# Altium PCB ZYNQ7010_AD9363.PcbDoc (part 1 of 6) (continued)
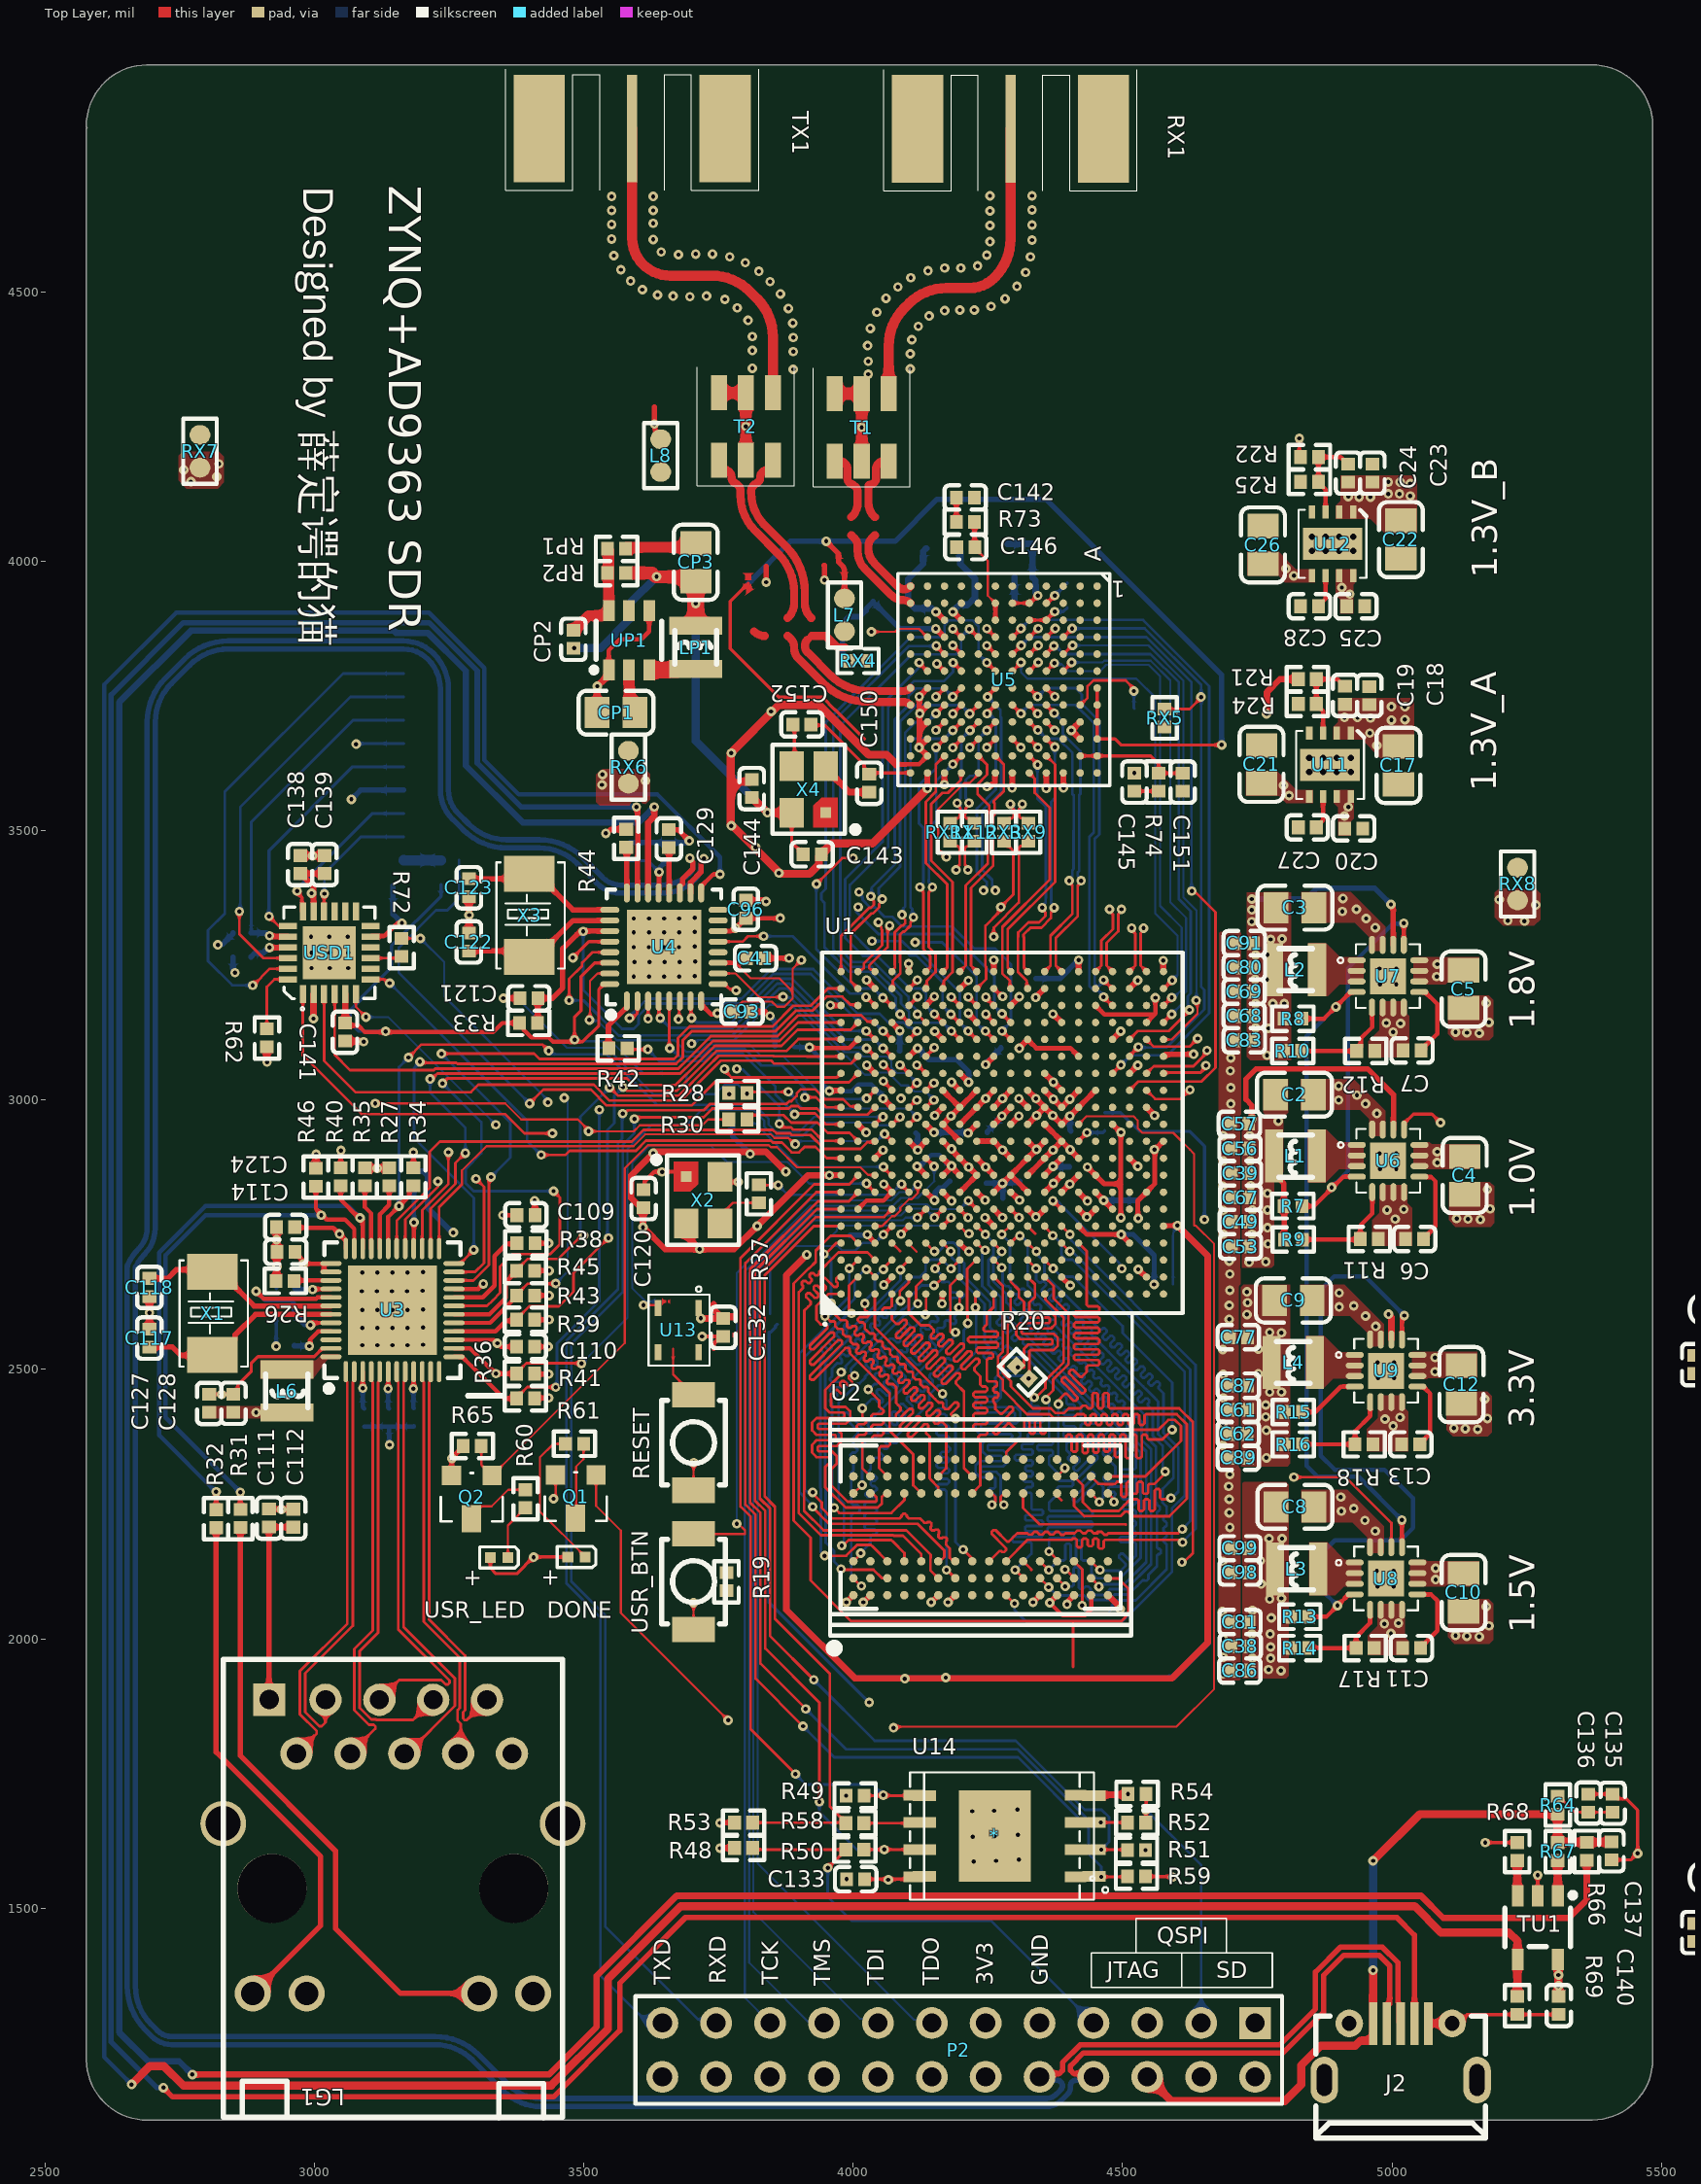
[diagram p0: Top Layer view]
## Footprints (in the part's own frame and the unit in brackets; to place one, negate y for a bottom-side part, rotate by r counter-clockwise, add the part's x,y. Pads: shape width x height; smd on the part's side, far side on the other; paste and mask are expansions set on the pad) (continued)
  silkscreen extent -161,-206 233,188
AP3419 [mm]
  rect 1x0.55 smd: 1(1.268,-0.95) 2(1.268,0) 3(1.268,0.95) 4(-1.532,0.95) 5(-1.532,0) 6(-1.532,-0.95)
  silkscreen extent -1.03,-1.78 1.39,1.55
CLG400-0.8 [mm]
  round 0.35 smd: A1(-7.6,7.6) A2(-6.8,7.6) A3(-6,7.6) A4(-5.2,7.6) A5(-4.4,7.6) A6(-3.6,7.6) A7(-2.8,7.6) A8(-2,7.6) A9(-1.2,7.6) A10(-0.4,7.6) A11(0.4,7.6) A12(1.2,7.6) A13(2,7.6) A14(2.8,7.6) A15(3.6,7.6) A16(4.4,7.6) A17(5.2,7.6) A18(6,7.6) A19(6.8,7.6) A20(7.6,7.6) B1(-7.6,6.8) B2(-6.8,6.8) B3(-6,6.8) B4(-5.2,6.8) B5(-4.4,6.8) B6(-3.6,6.8) B7(-2.8,6.8) B8(-2,6.8) B9(-1.2,6.8) B10(-0.4,6.8) B11(0.4,6.8) B12(1.2,6.8) B13(2,6.8) B14(2.8,6.8) B15(3.6,6.8) B16(4.4,6.8) B17(5.2,6.8) B18(6,6.8) B19(6.8,6.8) B20(7.6,6.8) C1(-7.6,6) C2(-6.8,6) C3(-6,6) C4(-5.2,6) C5(-4.4,6) C6(-3.6,6) C7(-2.8,6) C8(-2,6) C9(-1.2,6) C10(-0.4,6) C11(0.4,6) C12(1.2,6) C13(2,6) C14(2.8,6) C15(3.6,6) C16(4.4,6) C17(5.2,6) C18(6,6) C19(6.8,6) C20(7.6,6) D1(-7.6,5.2) D2(-6.8,5.2) D3(-6,5.2) D4(-5.2,5.2) D5(-4.4,5.2) D6(-3.6,5.2) D7(-2.8,5.2) D8(-2,5.2) D9(-1.2,5.2) D10(-0.4,5.2) D11(0.4,5.2) D12(1.2,5.2) D13(2,5.2) D14(2.8,5.2) D15(3.6,5.2) D16(4.4,5.2) D17(5.2,5.2) D18(6,5.2) D19(6.8,5.2) D20(7.6,5.2) E1(-7.6,4.4) E2(-6.8,4.4) E3(-6,4.4) E4(-5.2,4.4) E5(-4.4,4.4) E6(-3.6,4.4) E7(-2.8,4.4) E8(-2,4.4) E9(-1.2,4.4) E10(-0.4,4.4) E11(0.4,4.4) E12(1.2,4.4) E13(2,4.4) E14(2.8,4.4) E15(3.6,4.4) E16(4.4,4.4) E17(5.2,4.4) E18(6,4.4) E19(6.8,4.4) E20(7.6,4.4) F1(-7.6,3.6) F2(-6.8,3.6) F3(-6,3.6) F4(-5.2,3.6) F5(-4.4,3.6) F6(-3.6,3.6) F7(-2.8,3.6) F8(-2,3.6) F9(-1.2,3.6) F10(-0.4,3.6) F11(0.4,3.6) F12(1.2,3.6) F13(2,3.6) F14(2.8,3.6) F15(3.6,3.6) F16(4.4,3.6) F17(5.2,3.6) F18(6,3.6) F19(6.8,3.6) F20(7.6,3.6) G1(-7.6,2.8) G2(-6.8,2.8) G3(-6,2.8) G4(-5.2,2.8) G5(-4.4,2.8) G6(-3.6,2.8) G7(-2.8,2.8) G8(-2,2.8) G9(-1.2,2.8) G10(-0.4,2.8) G11(0.4,2.8) G12(1.2,2.8) G13(2,2.8) G14(2.8,2.8) G15(3.6,2.8) G16(4.4,2.8) G17(5.2,2.8) G18(6,2.8) G19(6.8,2.8) G20(7.6,2.8) H1(-7.6,2) H2(-6.8,2) H3(-6,2) H4(-5.2,2) H5(-4.4,2) H6(-3.6,2) H7(-2.8,2) H8(-2,2) H9(-1.2,2) H10(-0.4,2) H11(0.4,2) H12(1.2,2) H13(2,2) H14(2.8,2) H15(3.6,2) H16(4.4,2) H17(5.2,2) H18(6,2) H19(6.8,2) H20(7.6,2) J1(-7.6,1.2) J2(-6.8,1.2) J3(-6,1.2) J4(-5.2,1.2) J5(-4.4,1.2) J6(-3.6,1.2) J7(-2.8,1.2) J8(-2,1.2) J9(-1.2,1.2) J10(-0.4,1.2) J11(0.4,1.2) J12(1.2,1.2) J13(2,1.2) J14(2.8,1.2) J15(3.6,1.2) J16(4.4,1.2) J17(5.2,1.2) J18(6,1.2) J19(6.8,1.2) J20(7.6,1.2) K1(-7.6,0.4) K2(-6.8,0.4) K3(-6,0.4) K4(-5.2,0.4) K5(-4.4,0.4) K6(-3.6,0.4) K7(-2.8,0.4) K8(-2,0.4) K9(-1.2,0.4) K10(-0.4,0.4) K11(0.4,0.4) K12(1.2,0.4) K13(2,0.4) K14(2.8,0.4) K15(3.6,0.4) K16(4.4,0.4) K17(5.2,0.4) K18(6,0.4) K19(6.8,0.4) K20(7.6,0.4) L1(-7.6,-0.4) L2(-6.8,-0.4) L3(-6,-0.4) L4(-5.2,-0.4) L5(-4.4,-0.4) L6(-3.6,-0.4) L7(-2.8,-0.4) L8(-2,-0.4) L9(-1.2,-0.4) L10(-0.4,-0.4) L11(0.4,-0.4) L12(1.2,-0.4) L13(2,-0.4) L14(2.8,-0.4) L15(3.6,-0.4) L16(4.4,-0.4) L17(5.2,-0.4) L18(6,-0.4) L19(6.8,-0.4) L20(7.6,-0.4) M1(-7.6,-1.2) M2(-6.8,-1.2) M3(-6,-1.2) M4(-5.2,-1.2) M5(-4.4,-1.2) M6(-3.6,-1.2) M7(-2.8,-1.2) M8(-2,-1.2) M9(-1.2,-1.2) M10(-0.4,-1.2) M11(0.4,-1.2) M12(1.2,-1.2) M13(2,-1.2) M14(2.8,-1.2) M15(3.6,-1.2) M16(4.4,-1.2) M17(5.2,-1.2) M18(6,-1.2) M19(6.8,-1.2) M20(7.6,-1.2) N1(-7.6,-2) N2(-6.8,-2) N3(-6,-2) N4(-5.2,-2) N5(-4.4,-2) N6(-3.6,-2) N7(-2.8,-2) N8(-2,-2) N9(-1.2,-2) N10(-0.4,-2) N11(0.4,-2) N12(1.2,-2) N13(2,-2) N14(2.8,-2) N15(3.6,-2) N16(4.4,-2) N17(5.2,-2) N18(6,-2) N19(6.8,-2) N20(7.6,-2) P1(-7.6,-2.8) P2(-6.8,-2.8) P3(-6,-2.8) P4(-5.2,-2.8) P5(-4.4,-2.8) P6(-3.6,-2.8) P7(-2.8,-2.8) P8(-2,-2.8) P9(-1.2,-2.8) P10(-0.4,-2.8) P11(0.4,-2.8) P12(1.2,-2.8) P13(2,-2.8) P14(2.8,-2.8) P15(3.6,-2.8) P16(4.4,-2.8) P17(5.2,-2.8) P18(6,-2.8) P19(6.8,-2.8) P20(7.6,-2.8) R1(-7.6,-3.6) R2(-6.8,-3.6) R3(-6,-3.6) R4(-5.2,-3.6) R5(-4.4,-3.6) R6(-3.6,-3.6) R7(-2.8,-3.6) R8(-2,-3.6) R9(-1.2,-3.6) R10(-0.4,-3.6) R11(0.4,-3.6) R12(1.2,-3.6) R13(2,-3.6) R14(2.8,-3.6) R15(3.6,-3.6) R16(4.4,-3.6) R17(5.2,-3.6) R18(6,-3.6) R19(6.8,-3.6) R20(7.6,-3.6) T1(-7.6,-4.4) T2(-6.8,-4.4) T3(-6,-4.4) T4(-5.2,-4.4) T5(-4.4,-4.4) T6(-3.6,-4.4) T7(-2.8,-4.4) T8(-2,-4.4) T9(-1.2,-4.4) T10(-0.4,-4.4) T11(0.4,-4.4) T12(1.2,-4.4) T13(2,-4.4) T14(2.8,-4.4) T15(3.6,-4.4) T16(4.4,-4.4) T17(5.2,-4.4) T18(6,-4.4) T19(6.8,-4.4) T20(7.6,-4.4) U1(-7.6,-5.2) U2(-6.8,-5.2) U3(-6,-5.2) U4(-5.2,-5.2) U5(-4.4,-5.2) U6(-3.6,-5.2) U7(-2.8,-5.2) U8(-2,-5.2) U9(-1.2,-5.2) U10(-0.4,-5.2) U11(0.4,-5.2) U12(1.2,-5.2) U13(2,-5.2) U14(2.8,-5.2) U15(3.6,-5.2) U16(4.4,-5.2) U17(5.2,-5.2) U18(6,-5.2) U19(6.8,-5.2) U20(7.6,-5.2) V1(-7.6,-6) V2(-6.8,-6) V3(-6,-6) V4(-5.2,-6) V5(-4.4,-6) V6(-3.6,-6) V7(-2.8,-6) V8(-2,-6) V9(-1.2,-6) V10(-0.4,-6) V11(0.4,-6) V12(1.2,-6) V13(2,-6) V14(2.8,-6) V15(3.6,-6) V16(4.4,-6) V17(5.2,-6) V18(6,-6) V19(6.8,-6) V20(7.6,-6) W1(-7.6,-6.8) W2(-6.8,-6.8) W3(-6,-6.8) W4(-5.2,-6.8) W5(-4.4,-6.8) W6(-3.6,-6.8) W7(-2.8,-6.8) W8(-2,-6.8) W9(-1.2,-6.8) W10(-0.4,-6.8) W11(0.4,-6.8) W12(1.2,-6.8) W13(2,-6.8) W14(2.8,-6.8) W15(3.6,-6.8) W16(4.4,-6.8) W17(5.2,-6.8) W18(6,-6.8) W19(6.8,-6.8) W20(7.6,-6.8) Y1(-7.6,-7.6) Y2(-6.8,-7.6) Y3(-6,-7.6) Y4(-5.2,-7.6) Y5(-4.4,-7.6) Y6(-3.6,-7.6) Y7(-2.8,-7.6) Y8(-2,-7.6) Y9(-1.2,-7.6) Y10(-0.4,-7.6) Y11(0.4,-7.6) Y12(1.2,-7.6) Y13(2,-7.6) Y14(2.8,-7.6) Y15(3.6,-7.6) Y16(4.4,-7.6) Y17(5.2,-7.6) Y18(6,-7.6) Y19(6.8,-7.6) Y20(7.6,-7.6)
  silkscreen extent -9.02,-8.5 8.5,8.5
CNSMARAL687W375H171 [mil]
  rect 200x19 smd: 1(2.5,0)
  rect 200x95 smd: 2(2.5,172.5) 4(2.5,-172.5)
  rect 200x95 smd far side: 3(2.5,172.5) 5(2.5,-172.5)
  silkscreen extent -113,-235 113,235
D0402 [mm]
  rect 0.51x0.51 smd: 1(-0.41,0) 2(0.41,0)
  silkscreen extent -0.91,-0.5 0.91,0.5
FBGA96 [mm]
  round 0.4 smd: A1(2.504,-0.906) A2(3.304,-0.906) A3(4.104,-0.906) A7(7.304,-0.906) A8(8.104,-0.906) A9(8.904,-0.906) B1(2.504,-1.706) B2(3.304,-1.706) B3(4.104,-1.706) B7(7.304,-1.706) B8(8.104,-1.706) B9(8.904,-1.706) C1(2.504,-2.506) C2(3.304,-2.506) C3(4.104,-2.506) C7(7.304,-2.506) C8(8.104,-2.506) C9(8.904,-2.506) D1(2.504,-3.306) D2(3.304,-3.306) D3(4.104,-3.306) D7(7.304,-3.306) D8(8.104,-3.306) D9(8.904,-3.306) E1(2.504,-4.106) E2(3.304,-4.106) E3(4.104,-4.106) E7(7.304,-4.106) E8(8.104,-4.106) E9(8.904,-4.106) F1(2.504,-4.906) F2(3.304,-4.906) F3(4.104,-4.906) F7(7.304,-4.906) F8(8.104,-4.906) F9(8.904,-4.906) G1(2.504,-5.706) G2(3.304,-5.706) G3(4.104,-5.706) G7(7.304,-5.706) G8(8.104,-5.706) G9(8.904,-5.706) H1(2.504,-6.506) H2(3.304,-6.506) H3(4.104,-6.506) H7(7.304,-6.506) H8(8.104,-6.506) H9(8.904,-6.506) J1(2.504,-7.306) J2(3.304,-7.306) J3(4.104,-7.306) J7(7.304,-7.306) J8(8.104,-7.306) J9(8.904,-7.306) K1(2.504,-8.106) K2(3.304,-8.106) K3(4.104,-8.106) K7(7.304,-8.106) K8(8.104,-8.106) K9(8.904,-8.106) L1(2.504,-8.906) L2(3.304,-8.906) L3(4.104,-8.906) L7(7.304,-8.906) L8(8.104,-8.906) L9(8.904,-8.906) M1(2.504,-9.706) M2(3.304,-9.706) M3(4.104,-9.706) M7(7.304,-9.706) M8(8.104,-9.706) M9(8.904,-9.706) N1(2.504,-10.506) N2(3.304,-10.506) N3(4.104,-10.506) N7(7.304,-10.506) N8(8.104,-10.506) N9(8.904,-10.506) P1(2.504,-11.306) P2(3.304,-11.306) P3(4.104,-11.306) P7(7.304,-11.306) P8(8.104,-11.306) P9(8.904,-11.306) R1(2.504,-12.106) R2(3.304,-12.106) R3(4.104,-12.106) R7(7.304,-12.106) R8(8.104,-12.106) R9(8.904,-12.106) T1(2.504,-12.906) T2(3.304,-12.906) T3(4.104,-12.906) T7(7.304,-12.906) T8(8.104,-12.906) T9(8.904,-12.906)
  silkscreen extent -0.2,-14.01 10.8,0.2
HDR2X12_CEN [mm] "Connector; Header; 12x2 Position"
  rect 1.5x1.5 hole 0.9: 1(0,0)
  round 1.5 hole 0.9: 2(2.54,0) 3(5.08,0) 4(7.62,0) 5(10.16,0) 6(12.7,0) 7(15.24,0) 8(17.78,0) 9(20.32,0) 10(22.86,0) 11(25.4,0) 12(27.94,0) 13(0,2.54) 14(2.54,2.54) 15(5.08,2.54) 16(7.62,2.54) 17(10.16,2.54) 18(12.7,2.54) 19(15.24,2.54) 20(17.78,2.54) 21(20.32,2.54) 22(22.86,2.54) 23(25.4,2.54) 24(27.94,2.54)
  silkscreen extent -1.27,-1.27 29.21,3.81
HR911130C [mil]
  round 66.93 hole 43.31: 11(260,272.62) 12(160,272.62) 13(-160,272.62) 14(-260,272.62)
  rect 60x60 hole 35.83: P1(229.63,-272.62)
  round 60 hole 35.83: P2(179.1,-172.38) P3(125.2,-272.38) P4(79.1,-172.38) P5(25.2,-272.38) P6(-20.9,-172.38) P7(-74.8,-272.38) P8(-120.9,-172.38) P9(-174.8,-272.38) P10(-220.9,-172.38)
  round 85 hole 65: SHIELD0(-315,-42.48) SHIELD1(315,-42.48)
  round 127.95 hole 127.95 unplated: ""(-224.4,77.62) ""(224.4,77.62)
  silkscreen extent -315,-347 315,503
L1008 [mil]
  rect 33.5x98.4 smd: 1(-39.92,0) 2(40.08,0)
  silkscreen extent -31,-39 31,39
LC-0402_C [mm]
  rect 0.6x0.65 smd mask+0.051: 1(-0.425,0) 2(0.425,0)
  silkscreen extent -0.97,-0.58 0.98,0.58, body extent -0.48,-0.3 0.52,0.3, height 0.2
LC-0402_R [mm]
  rect 0.6x0.65 smd mask+0.051: 1(-0.425,0) 2(0.425,0)
  silkscreen extent -0.97,-0.58 0.97,0.58, body extent -0.57,-0.27 0.57,0.28, height 0.41
LC-0603_L [mm]
  oval 0.93x0.98 smd: 1(-0.77,0) 2(0.77,0)
  silkscreen extent -1.53,-0.79 1.54,0.79, body extent -0.8,-0.41 0.8,0.41, height 0.46
LC-0805_C [mm]
  rect 1.16x1.47 smd: 1(-0.89,0) 2(0.89,0)
  silkscreen extent -1.77,-1.04 1.77,1.04
LC-QFN-32_5x5x05P [mm]
  rect 3.5x3.5 smd paste-1.75 mask+0.051: 0(0,0)
  oval 0.28x0.9 smd mask+0.051: 1(-1.75,-2.55) 2(-1.25,-2.55) 3(-0.75,-2.55) 4(-0.25,-2.55) 5(0.25,-2.55) 6(0.75,-2.55) 7(1.25,-2.55) 8(1.75,-2.55) 17(1.75,2.55) 18(1.25,2.55) 19(0.75,2.55) 20(0.25,2.55) 21(-0.25,2.55) 22(-0.75,2.55) 23(-1.25,2.55) 24(-1.75,2.55)
  oval 0.9x0.28 smd mask+0.051: 9(2.55,-1.75) 10(2.55,-1.25) 11(2.55,-0.75) 12(2.55,-0.25) 13(2.55,0.25) 14(2.55,0.75) 15(2.55,1.25) 16(2.55,1.75) 25(-2.55,1.75) 26(-2.55,1.25) 27(-2.55,0.75) 28(-2.55,0.25) 29(-2.55,-0.25) 30(-2.55,-0.75) 31(-2.55,-1.25) 32(-2.55,-1.75)
  silkscreen extent -2.7,-3.35 2.7,2.7
LC-QFN-48_6x6x04P [mm]
  rect 4.2x4.2 smd mask+0.051: 0(0,0)
  oval 0.22x1 smd mask+0.051: 1(-2.2,-2.9) 2(-1.8,-2.9) 3(-1.4,-2.9) 4(-1,-2.9) 5(-0.6,-2.9) 6(-0.2,-2.9) 7(0.2,-2.9) 8(0.6,-2.9) 9(1,-2.9) 10(1.4,-2.9) 11(1.8,-2.9) 12(2.2,-2.9) 25(2.2,2.9) 26(1.8,2.9) 27(1.4,2.9) 28(1,2.9) 29(0.6,2.9) 30(0.2,2.9) 31(-0.2,2.9) 32(-0.6,2.9) 33(-1,2.9) 34(-1.4,2.9) 35(-1.8,2.9) 36(-2.2,2.9)
  oval 1x0.22 smd mask+0.051: 13(2.9,-2.2) 14(2.9,-1.8) 15(2.9,-1.4) 16(2.9,-1) 17(2.9,-0.6) 18(2.9,-0.2) 19(2.9,0.2) 20(2.9,0.6) 21(2.9,1) 22(2.9,1.4) 23(2.9,1.8) 24(2.9,2.2) 37(-2.9,2.2) 38(-2.9,1.8) 39(-2.9,1.4) 40(-2.9,1) 41(-2.9,0.6) 42(-2.9,0.2) 43(-2.9,-0.2) 44(-2.9,-0.6) 45(-2.9,-1) 46(-2.9,-1.4) 47(-2.9,-1.8) 48(-2.9,-2.2)
  silkscreen extent -3.2,-3.85 3.2,3.2
LC-SMD-5032_2P [mil]
  rect 66.92x94.48 smd: 1(-77.18,0.02) 2(77.18,-0.02)
  silkscreen extent -99,-66 98,61
"micro usb" [mm]
  rect 0.4x2 smd: 1(1.145,0.066) 2(1.795,0.066) 3(2.445,0.066) 4(3.095,0.066) 5(3.745,0.066)
  round 1.3 hole 0.7: 6(4.87,0.074) 9(0.02,0.074)
  oval 1.3x2.199 hole 0.7 slot 1.5 at 90 deg: 7(6.045,-2.597) 8(-1.155,-2.597)
  silkscreen extent -1.55,-5.33 6.45,0.42
MLP8 [mil]
  rect 43.3x19.7 smd: 1(-138.85,75) 2(-138.85,25) 3(-138.85,-25) 4(-138.85,-75) 5(176.15,-75) 6(176.15,-25) 7(176.15,25) 8(176.15,75)
  silkscreen extent -165,-118 176,118
NMOS [mil]
  rect 36x36 smd: 1(80,-39) 2(80,36)
  rect 50x36 smd: 3(0,-1)
  silkscreen extent -5,-59 85,56
OSC-SMD_4P-L3.2-W2.5-BL [mm]
  rect 0.5x0.5 smd: 1(-2.454,-1.371)
  rect 1.4x1.15 smd: 2(-0.254,-1.371) 3(-0.254,0.229) 4(-2.454,0.229)
  Top Layer region: -3.154,-0.796 -2.116,-0.796 -1.754,-1.175 -1.754,-1.946 -3.154,-1.946
  silkscreen extent -3.45,-2.92 0.75,1.13
TCM811TERCTR [mil]
  rect 12x30 smd: 1(-36,-41.3) 2(39,-41.3) 3(39,41.3) 4(-36,41.3)
  silkscreen extent -57,-81 57,66
TF [mm]
  rect 1.4x1.6 smd: 0(-4.55,6.85)
  rect 1.6x0.7 smd: 1(-5.05,2.25) 2(-5.05,1.15) 3(-5.05,0.05) 4(-5.05,-1.05) 5(-5.05,-2.15) 6(-5.05,-3.25) 7(-5.05,-4.35) 8(-5.05,-5.45) 9(-5.05,-6.55)
  rect 1.4x1.2 smd: 10(-4.55,-7.75)
  rect 2.2x1.2 smd: 11(5.05,-7.75) 12(5.05,7.75)
  silkscreen extent -4.06,-7.29 9.47,7.15
TLV62130RGT [mil]
  oval 11x33.5 smd: 1(-29.5,-58.6) 2(-9.8,-58.6) 3(9.8,-58.6) 4(29.5,-58.6) 9(29.5,57.6) 10(9.8,57.6) 11(-9.8,57.6) 12(-29.5,57.6)
  oval 33.5x11 smd: 5(58.1,-30) 6(58.1,-10.3) 7(58.1,9.3) 8(58.1,29) 13(-58.1,29) 14(-58.1,9.3) 15(-58.1,-10.3) 16(-58.1,-30)
  rect 66.9x66.9 smd: 20(0,-0.5)
  silkscreen extent -59,-93 59,59
TPS7A8101 [mm]
  rect 1.5x2.8 smd: 0(0,0)
  rect 0.6x0.3 smd: 1(-1.5,0.975) 2(-1.5,0.325) 3(-1.5,-0.325) 4(-1.5,-0.975) 5(1.5,-0.975) 6(1.5,-0.325) 7(1.5,0.325) 8(1.5,0.975)
  silkscreen extent -1.6,-1.6 1.6,1.6, body extent -1.5,-1.5 1.5,1.5, height 0.6
TPS2051BDBVR [mm]
  rect 1x0.55 smd: 1(1.087,-0.95) 2(1.087,0) 3(1.087,0.95) 4(-1.913,0.95) 5(-1.913,-0.95)
  silkscreen extent -1.31,-1.78 1.24,1.55
TSML150W160H160 [mil]
  rect 30x65 smd: 1(-50,62.51) 2(0,62.51) 3(50,62.51) 4(50,-62.49) 5(0,-62.49) 6(-50,-62.49)
  silkscreen extent -130,-110 90,110, body extent -90,-110 90,110, height 150
TXS02612RTWR [mil]
  rect 33.4x11.8 smd: 1(-79.76,52.7) 2(-79.76,33) 3(-79.76,13.3) 4(-79.76,-6.4) 5(-79.76,-26) 6(-79.76,-45.7) 13(73.74,-45.7) 14(73.74,-26) 15(73.74,-6.4) 16(73.74,13.3) 17(73.74,33) 18(73.74,52.7)
  rect 11.8x33.4 smd: 7(-52.16,-73.3) 8(-32.56,-73.3) 9(-12.86,-73.3) 10(6.84,-73.3) 11(26.55,-73.3) 12(46.24,-73.3) 19(46.24,80.3) 20(26.55,80.3) 21(6.84,80.3) 22(-12.86,80.3) 23(-32.56,80.3) 24(-52.16,80.3)
  rect 98.4x98.4 smd: 25(-2.76,3.7)
  silkscreen extent -110,-81 82,88
W25Q256 [mm]
  rect 0.5x1 smd: 1(-1.92,-3.8) 2(-0.64,-3.8) 3(0.64,-3.8) 4(1.92,-3.8) 5(1.92,3.8) 6(0.64,3.8) 7(-0.64,3.8) 8(-1.92,3.8)
  rect 4.3x3.4 smd: 9(0,0)
  silkscreen extent -3,-4.7 3,4
开关 [mm]
  rect 1.2x2 smd: 1(-2.321,-0.024) 2(2.179,-0.024)
  silkscreen extent -2.07,-1.52 1.93,1.48

## Part data
C1: library part CAP, "Capacitor"
C2 C3 C4 C5 C6 C7 C8 C9 C10 C11 C12 C13 C17 C18 C19 C20 C21 C22 C23 C24 C25 C26 C27 C28 C33 C34 C35 C36 C37 C38 C39 C41 C42 C43 C44 C45 C46 C49 C50 C51 C52 C53 C54 C55 C56 C57 C61 C62 C67 C68 C69 C70 C71 C72 C73 C74 C75 C76 C77 C78 C80 C81 C82 C83 C84 C85 C86 C87 C89 C90 C91 C92 C93 C94 C95 C96 C98 C99 C100 C101 C102 C103 C104 C105 C106 C107 C108: library part CAP_3, "Capacitor"
C14 C15 C16 C29 C30 C31 C32 C40 C47 C48 C117 C118 C122 C123 C145 C146 C150 C151 C152 C162 C165 C166 C168 C169 C170 C171 C172 C173 C174 C175 C176 C177 CP1 CP3: library part CAP_1, "Capacitor"
C58 C59 C60 C63 C109 C110 C111 C112 C113 C114 C115 C116 C119 C120 C121 C124 C125 C126 C127 C128 C129 C130 C131 C132 C133 C134 C135 C136 C137 C138 C139 C140 C141 C142 C143 C144 CP2: library part CAP_2, "Capacitor"
DONE USR_LED: library part LED0, "Typical INFRARED GaAs LED", LatestRevisionDate=08-Jul-2005, LatestRevisionNote="Mech Layer 1 removed.", PackageDescription="LED; 2 Leads", PackageReference=LED-0, Published=8-Jun-2000, Publisher="Altium Limited"
L1 L2 L3 L4 L6: library part INDUCTANCE_1, "Inductance"
L5 L7 L8 L9 LP1: library part INDUCTANCE, "Inductance"
LG1: BOM_Manufacturer=HANRUN, BOM_Manufacturer Part=HR911130C, BOM_Supplier=LCSC, BOM_Supplier Part=C50933, Contributor=LCSC, nameAlias=Value, spicePre=L, spiceSymbolName=HR911130C
P2: "Header, 12-Pin, Dual row", LatestRevisionDate=17-Jul-2002, LatestRevisionNote="Re-released for DXP Platform.", Publisher="Altium Limited"
Q1 Q2: PSpiceTemplate="X^@REFDES %d %g %s @MODEL"
R1 R2 R3 R4 R5 R6 R7 R8 R9 R10 R11 R12 R13 R14 R15 R16 R17 R18 R19 R20 R21 R22 R24 R25 R26 R27 R28 R29 R30 R31 R32 R33 R34 R35 R36 R37 R38 R39 R40 R41 R42 R43 R44 R45 R46 R47 R48 R49 R50 R51 R52 R53 R54 R55 R56 R57 R58 R59 R60 R61 R62 R63 R64 R65 R66 R67 R68 R69 R70 R71 R72: library part RES, "Resistor"
R73 R74 R75 RP1 RP2 RX3 RX4 RX5 RX6 RX7 RX8 RX9 RX10 RX11 RX12 RX13 RX14 RX15 RX22: library part RES_1, "Resistor"
RESET USR_BTN: "Switch", LatestRevisionDate=17-Jul-2002, LatestRevisionNote="Re-released for DXP Platform.", PackageDescription="Switch; 2 Leads", PackageReference=SPST-2, Published=24-Mar-1999, Publisher="Altium Limited"
U2: library part DDR3
U14: library part N25Q12-F8, "Serial Flash Memory, 16Mbit, Low Voltage, 50MHz SPI Bus Interface", Manufacturer=Spansion
X1 X3: library part XTAL-2, "Crystal"
X2 X4: library part XTAL-4, "Oscillator"

## Via types
v1: diameter 17.72, hole 7.87, Top Layer to Bottom Layer, tented both sides, 899 vias
v2: diameter 19.68, hole 11.81, Top Layer to Bottom Layer, 16 vias

## Nets (pads, with @x,y where several pads share a name; then routed paths per layer and width w, separated by ;. In a path a pad name is that pad's centre, name@x,y a point inside that pad or via, vN(x,y) a via of type N, cw(c..) or ccw(c..) an arc to the next point about the centre after c; other vN are vias at no path point)
1P3_TX: C58.1 C59.2 C60.1 C63.2 L5.1 L7.1 L8.1 L9.1 U5.A7 U5.A8 U5.A9 U5.A10 | length 2170.4
  Top Layer w6: 3805.27,3958.64 3772,3925.37 3772,3837.5 3862,3747.5 3943.01,3747.5 3966.13,3724.38 3966.62,3724.38 4020.87,3670.13 ; U5.A7@4452.98,3764.62 U5.A8@4452.98,3733.13 U5.A9@4452.98,3701.63 U5.A10@4452.98,3670.13 4485.87,3670.13 4497,3659 v1@4680,3659
  Top Layer w10: 3631.27,4286 v1(3631.27,4254.64) ccw(c3671.32,4254.64) L8.1@3643,4226.31 ; v1(3950,4037) 3972.92,4014.08 3972.92,3998.81 3979.73,3992 cw(c3969.43,3981.7) 3984,3981.7 L7.1@3984,3930.63
  Bottom Layer w10: 3805.27,3958.64 3883.63,4037 v1(3950,4037) 4077.93,4037 4155.93,4115 4358,4115 4684,3789 v1(4684,3659)
AD9361_CLKOUT: U1.H17 U5.J6 | length 931.7
  Top Layer w5: v1(4181.31,3159.18) U1.H17@4197.05,3143.44 ; v1(4185.48,3811.74) 4185.86,3811.74 U5.J6@4201.51,3796.1
  Bottom Layer w5: v1(4181.31,3159.18) 4165.99,3174.5 4165.99,3219.1 4116.8,3268.28 4104.91,3268.28 4096.55,3276.64 4031.64,3276.64 3994,3314.28 3994,3399 4065.04,3470.04 4065.04,3729.64 4112.76,3777.36 4168.25,3777.36 4185.48,3794.59 v1(4185.48,3811.74)
AD9361_RST: RX4.1 U1.H16 U5.K5 | length 1155.7
  Top Layer w5: v1@4154.26,3842.35 U5.K5@4170.01,3826.6 ; v1(4182.25,3128.18) U1.H16@4197.99,3112.44
  Mid-Layer 1 w5: v1(4025.94,3814.92) 4076.13,3814.92 4104.31,3843.1 v1(4154.51,3843.1)
  Bottom Layer w5: v1@4154.26,3842.35 4103.24,3842.35 3963,3702.11 3963,3280 3996,3247 4034.97,3247 4088.99,3192.98 4088.99,3179.01 4103.95,3164.05 4103.95,3148.48 4108.99,3143.44 4166.99,3143.44 v1(4182.25,3128.18)
ADVDD10: C124.1 C125.1 C126.1 C127.2 C128.2 C130.2 C131.2 L6.2 U3.3 U3.9 U3.28 U3.36 U3.40 | length 1335.8
  Top Layer w8: C124.1@2963.73,2764.2 2964.73,2763.2 3034.93,2763.2 v1(3046.73,2751.4) 3058.52,2739.61 U3.36@3058.52,2724.26 ; v1(2996.64,2648.34) 2997.62,2649.33 3030.84,2649.33 U3.40@3030.96,2649.45 ; v1(3090,2465.2) U3.3@3090.02,2495.91 ; v1@3184,2465.2 3184.51,2465.71 U3.9@3184.51,2495.91 ; U3.28@3184.51,2724.26 3185,2724.75 v1(3185,2773)
  Mid-Layer 1 w8: v1(3184,2464.2) 3182.14,2462.34 3182.14,2446.14 3175,2439 3116.2,2439 v1(3090,2465.2) 3044.8,2420 v1(2892,2420) 2953,2481 2953,2604.71 v1(2996.64,2648.34) 2996.64,2710.64 3016.09,2730.09 3025.41,2730.09 v1(3046.73,2751.4) 3111.4,2751.4 3133,2773 v1(3185,2773)
  Bottom Layer w8: C126.1@2963,2650.2 2964.85,2648.34 v1(2996.64,2648.34) ; v1(3090,2465.2) 3090,2430.2 C125.1@3093,2427.2 ; C130.2@3183,2841.47 3184.9,2839.57 3184,2838.67 3185,2837.67 v1(3185,2773) ; v1(3184,2464.2) 3184,2428.93 C131.2@3185,2427.93
CB: *.6 R58.1 U14.6 | length 93.9
  Top Layer w5: R58.1@4020,1658 4112.2,1658 *.6@4113.4,1659.2
CTRL_IN0: U1.Y16 U5.C5 | length 968.6
  Top Layer w4: U5.C5@4390.75,3827.86 4406.5,3843.61 4407.26,3843.61 v1(4407.4,3843.74) ; U1.Y16@4575.94,3112.44 4591.45,3112.44 4639,3159.99 4639,3182.66 v1@4636.66,3185
  Bottom Layer w4: v1(4407.4,3843.74) 4407.54,3843.61 4547.92,3843.61 4613.14,3778.38 4613.14,3375.88 4637.5,3351.52 4637.5,3186.14 4636.64,3185.28 v1(4636.64,3185)
CTRL_IN1: U1.Y17 U5.C6 | length 885.7
  Top Layer w4: U5.C6@4390.75,3796.36 v1@4406.5,3812.11
  Top Layer w5: U1.Y17@4575.49,3143.44 v1(4591.23,3159.18)
  Bottom Layer w4: v1@4406.5,3812.11 4462.86,3812.11 4466.27,3815.52 4551.96,3815.52 4588.73,3778.75 4588.73,3367.27 4618,3338 4618,3201.33 4612.78,3196.11 4612.78,3180.73 4592.27,3160.22 v1@4592.27,3159.27
  other v1: 4405.51,3812.1
CTRL_IN2: U1.Y18 U5.D6 | length 876
  Top Layer w4: U5.D6@4359.25,3796.36 4359.25,3796.87 v1(4373.41,3811)
  Top Layer w5: U1.Y18@4575.49,3174.44 v1(4591.23,3190.18)
  Bottom Layer w4: v1(4373.41,3811) 4376.03,3808.38 4387.74,3808.38 4400.02,3796.1 4458.51,3796.1 4462.61,3800.21 4462.61,3800.55 4469.58,3807.52 4548.65,3807.52 4569.51,3786.66 4569.51,3360.49 4610,3320 4610,3204.65 v1@4596.87,3191.52
CTRL_IN3: U1.V16 U5.D5 | length 1035.3
  Top Layer w5: U5.D5@4359.25,3827.86 4359.25,3828.96 4372.68,3842.39 v1(4372.68,3842.97) ; U1.V16@4512.95,3112.44 4528.51,3128 4586,3128 4623.96,3165.96 v1(4623.96,3167.37)
  Bottom Layer w5: v1(4372.68,3842.97) 4375.64,3842.97 4390.99,3827.62 4551.89,3827.62 4604.51,3774.99 4604.51,3372.49 4626.5,3350.5 4626.5,3197.81 4621.28,3192.59 4621.28,3178.64 4621.53,3178.39 4621.53,3169.8 v1(4623.96,3167.37)
CTRL_OUT0: U1.W13 U5.D4 | length 1139.5
  Top Layer w5: U5.D4@4359.25,3859.36 v1(4375,3875.1) ; U1.W13@4544.45,3017.95 4560.4,3002 4608,3002 v1(4625,3019)
  Mid-Layer 1 w5: v1(4375,3875.1) 4390.49,3859.62 4413.25,3859.62 4435.24,3837.62 4435.24,3781.94 4613.09,3604.09 4613.09,3340.91 4681,3273 4681,3068.84 4631.16,3019 v1(4625,3019)
CTRL_OUT1: U1.Y14 U5.E4 | length 1082.4
  Top Layer w5: U5.E4@4327.76,3859.36 4327.76,3859.45 4343.07,3874.75 v1(4343.51,3874.75) ; U1.Y14@4575.94,3049.45 4577.49,3051 4645,3051 4645,3051.12 4654.64,3060.76 v1(4654.64,3064.2)
  Mid-Layer 1 w5: v1(4343.51,3874.75) 4343.85,3874.75 4358.99,3859.62 4377.76,3859.62 4391.68,3845.69 4391.68,3837.74 4401.32,3828.1 4415.51,3828.1 4424.83,3818.78 4424.83,3764.17 4591,3598 4591,3341 4672,3260 4672,3081.56 v1(4654.64,3064.2)
CTRL_OUT2: U1.W14 U5.E5 | length 1052.2
  Top Layer w5: U5.E5@4327.76,3827.86 v1(4343.51,3843.61) ; U1.W14@4544.45,3049.45 4557.84,3062.84 4631.56,3062.84 4656.64,3087.92 v1(4656.64,3092)
  Mid-Layer 1 w5: v1(4343.51,3843.61) 4359.5,3827.62 4378.51,3827.62 4389.51,3816.62 4389.51,3782.49 4573.5,3598.5 4573.5,3342.5 4663,3253 4663,3101.69 4656.64,3095.33 v1(4656.64,3092)
CTRL_OUT3: U1.W16 U5.E6 | length 963.3
  Top Layer w5: U5.E6@4327.76,3796.36 v1(4343.51,3812.11) ; U1.W16@4544.45,3112.44 4557.84,3099.05 4624.33,3099.05 v1(4639.28,3114)
  Mid-Layer 1 w5: v1(4343.51,3812.11) 4561.31,3594.31 4561.31,3341.96 4654,3249.27 4654,3128.72 v1@4638.14,3112.86
CTRL_OUT4: U1.Y19 U5.F6 | length 877.2
  Top Layer w4: U5.F6@4296.26,3796.36 v1@4312.01,3812.11
  Top Layer w5: U1.Y19@4576.49,3206.44 v1(4592.23,3222.18)
  Bottom Layer w4: v1(4311.51,3812.1) 4311.51,3794.1 4323.51,3782.1 4525.51,3782.1 4560.51,3747.1 4560.51,3346.49 4602,3305 4602,3231.95 v1(4592.23,3222.18)
CTRL_OUT5: U1.V13 U5.F5 | length 1292.6
  Top Layer w5: U5.F5@4296.26,3827.86 v1(4312.01,3843.61) ; U1.V13@4512.95,3017.95 4529.36,3034.36 4646.52,3034.36 4672.36,3060.2 4672.36,3348.64 4637.29,3383.71 4636.18,3383.71 4631.89,3388 v1(4628.45,3388)
  Bottom Layer w5: v1(4312.01,3843.61) 4325.51,3857.1 4334.51,3857.1 4336.51,3859.1 4544.44,3859.1 4628,3775.54 4628,3388.45 v1(4628.45,3388)
CTRL_OUT6: U1.U14 U5.F4 | length 1262
  Top Layer w5: U5.F4@4296.26,3859.36 v1@4312.01,3875.1 ; U1.U14@4481.49,3049.44 v1(4497.23,3065.18)
  Bottom Layer w5: v1(4311.51,3875.1) 4327.4,3891 4538,3891 4661,3768 4661,3161 4582.82,3082.82 4514.87,3082.82 v1(4497.23,3065.18)
CTRL_OUT7: U1.J16 U5.G4 | length 1323.6
  Top Layer w5: v1(4213.31,3128.18) U1.J16@4229.05,3112.44 ; v1(4248.1,3874.85) 4248.18,3874.85 4263.51,3859.53 U5.G4@4263.51,3859.1
  Mid-Layer 1 w5: v1(4035,3295) 4001.19,3295 3907.28,3388.91 3907.28,3615.64 3962,3670.36 3962,3854 4029.36,3921.36 4220.25,3921.36 4231.25,3910.36 4231.25,3891.36 4247.76,3874.85 v1(4248.1,3874.85)
  Bottom Layer w5: v1(4035,3295) 4090.92,3295 4108.64,3277.28 4120.53,3277.28 4198,3199.81 4198,3143.49 v1(4213.31,3128.18)
DATA_CLK_N: U1.H20 U5.H11 | length 446
  Top Layer w5: U1.H20@4197.99,3238.42 4208.74,3249.17 4208.74,3397.88 4250,3439.14 4250,3531.41 4252.75,3534.15 4252.75,3546.1 4251.28,3547.57 4231,3567.85 4231,3586 4248.75,3603.75 4248.75,3622.39 U5.H11@4232.51,3638.64
DATA_CLK_P: U1.J20 U5.G11 | length 437.7
  Top Layer w5: U1.J20@4229.49,3238.42 4218.74,3249.17 4218.74,3393.74 4260,3435 4260,3527.26 4262.75,3530.01 4262.75,3550.24 4261.28,3551.71 4261.28,3554.88 4279.75,3573.35 4279.75,3622.89 U5.G11@4264,3638.64